# Altium PCB TAUV-Interfacer (DESKTOP-2772EO1's conflicted copy 2019-07-07).PcbDoc (part 1 of 3) (continued)
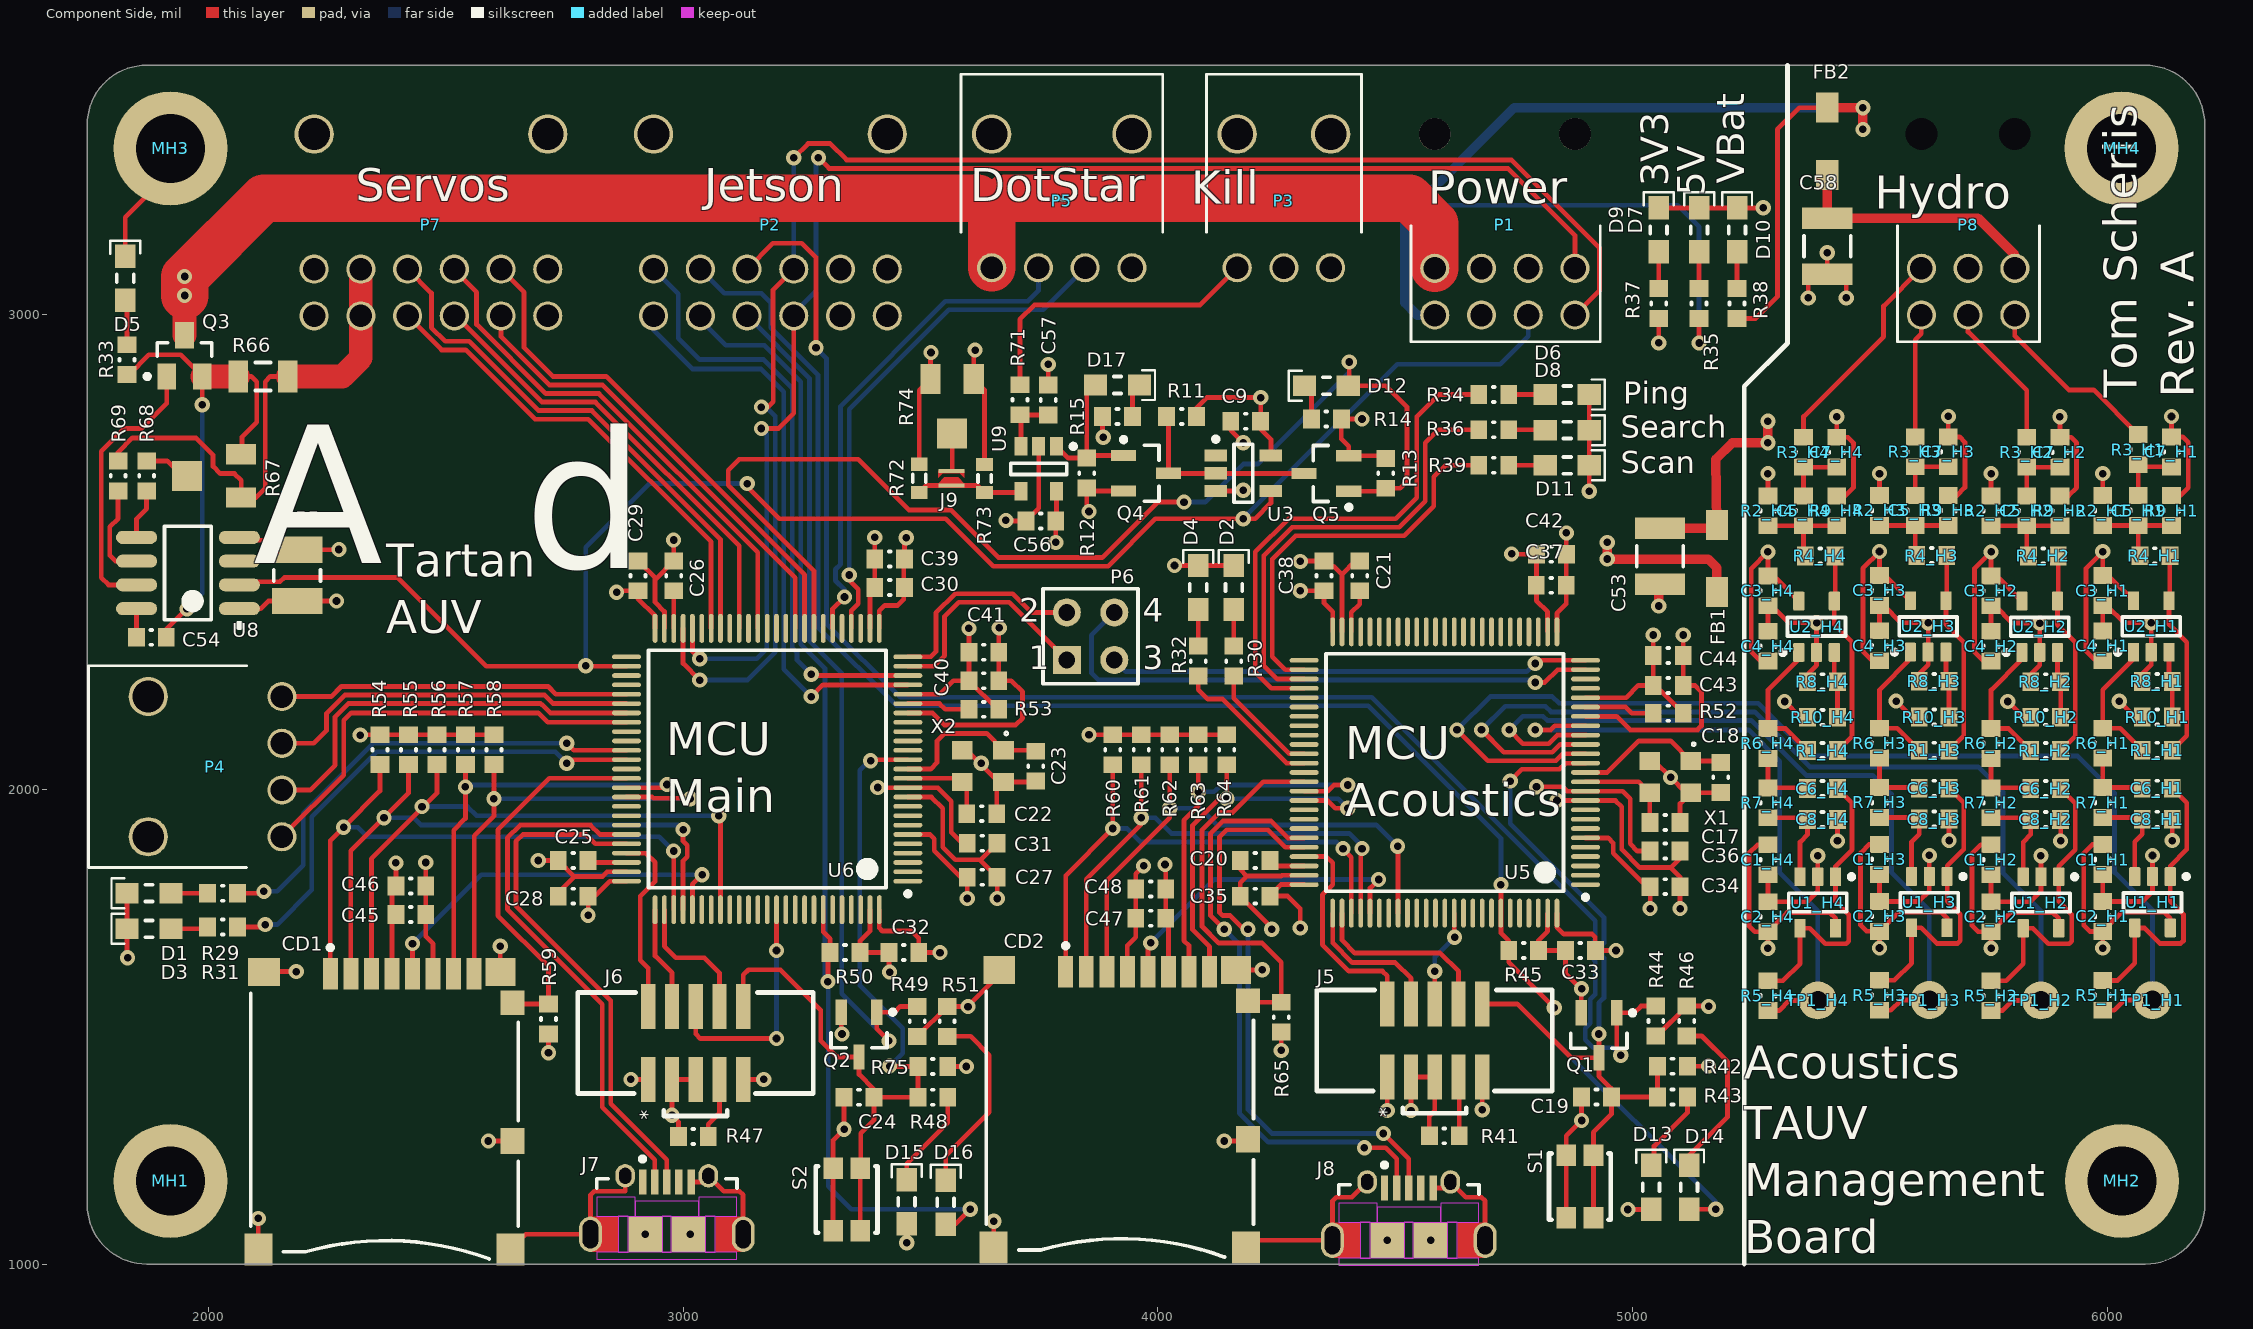
[diagram p0: Component Side view]
## Part data
C1_H1 C1_H2 C1_H3 C1_H4 C3_H1 C3_H2 C3_H3 C3_H4 C41 C44 C57: library part CMP-1035-02733-1, "CAP 1uF 10V ±10% 0603 (1608 Metric) Thickness 1mm SMD", Case-EIA=0603, Case-Metric=1608, Rated Voltage="10 V", Tolerance=±10%, Max Thickness="1 mm", Technology=SMT
  C3_H1 C3_H2 C3_H3 C3_H4: ChannelOffset=8
C2_H1 C2_H2 C2_H3 C2_H4 C4_H1 C4_H2 C4_H3 C4_H4 C9 C19 C24 C27 C28 C29 C30 C31 C32 C33 C34 C35 C36 C37 C38 C40 C43 C45 C47 C56: library part CMP-1035-02580-1, "CAP 100nF 10V ±10% 0603 (1608 Metric) Thickness 1mm SMD", Case-EIA=0603, Case-Metric=1608, Rated Voltage="10 V", Tolerance=±10%, Max Thickness="1 mm", Technology=SMT
  C4_H1 C4_H2 C4_H3 C4_H4: ChannelOffset=9
C5_H1 C5_H2 C5_H3 C5_H4 C7_H1 C7_H2 C7_H3 C7_H4: library part CMP-1035-02314-1, "CAP 10nF 25V ±1% 0603 (1608 Metric) Thickness 1mm SMD", Case-EIA=0603, Case-Metric=1608, Rated Voltage="25 V", Tolerance=±1%, Max Thickness="1 mm", Technology=SMT
  C5_H1 C5_H2 C5_H3 C5_H4: ChannelOffset=3
  C7_H1 C7_H2 C7_H3 C7_H4: ChannelOffset=2
C6_H1 C6_H2 C6_H3 C6_H4 C8_H1 C8_H2 C8_H3 C8_H4: library part CMP-1035-02506-1, "CAP 47nF 25V ±5% 0603 (1608 Metric) Thickness 1mm SMD", Case-EIA=0603, Case-Metric=1608, Rated Voltage="25 V", Tolerance=±5%, Max Thickness="1 mm", Technology=SMT
C17 C18 C22 C23: library part CMP-1035-00549-1, "CAP 10pF 25V ±1% 0603 (1608 Metric) Thickness 1mm SMD", Case-EIA=0603, Case-Metric=1608, Rated Voltage="25 V", Tolerance=±1%, Max Thickness="1 mm", Technology=SMT
C20 C21 C25 C26: library part CMP-1035-02758-1, "CAP 2.2uF 10V ±10% 0603 (1608 Metric) Thickness 1mm SMD", Case-EIA=0603, Case-Metric=1608, Rated Voltage="10 V", Tolerance=±10%, Max Thickness="1 mm", Technology=SMT
C39 C42 C46 C48: library part CMP-1035-02799-1, "CAP 10uF 10V ±10% 0603 (1608 Metric) Thickness 1mm SMD", Case-EIA=0603, Case-Metric=1608, Rated Voltage="10 V", Tolerance=±10%, Max Thickness="1 mm", Technology=SMT
C53 C58: library part CMP-1038-01290-1, "CAP 22nF 16V ±5% 1210 (3225 Metric) Thickness 1mm SMD", Case-EIA=1210, Case-Metric=3225, Rated Voltage="16 V", Tolerance=±20%, Max Thickness="1 mm", Technology=SMT
C54: library part CMP-1035-02315-1, "CAP 10nF 25V ±2% 0603 (1608 Metric) Thickness 1mm SMD", Case-EIA=0603, Case-Metric=1608, Rated Voltage="25 V", Tolerance=±2%, Max Thickness="1 mm", Technology=SMT
C55: library part CMP-1038-02286-1, "CAP 22uF 25V -20% to +80% 1210 (3225 Metric) Thickness 2.2mm SMD", Case-EIA=1210, Case-Metric=3225, Rated Voltage="25 V", Tolerance="-20% to +80%", Max Thickness="2.2 mm", Technology=SMT
CD1 CD2: library part CMP-2000-05248-1, "Micro SD Memory Card Connector, 0.5 A, 10 V (DC), -25 to 85 degC, 8-Pin SMT, RoHS, Tape and Reel", Current Rating=500mA, Manufacturer=Molex, Max Operating Temperature=85°C, Max Voltage Rating (DC)=1.01kV, Min Operating Temperature=-25°C, Package Quantity=1, Supplier Part Number 1=WM24066CT-ND, Voltage Rating (AC)=10V, 3D Model=502774-0891.stp, Card Type=SecureDigital-microSD™, Catalog Drawings=502774-0891, Category=Connectors,Interconnects, ComponentLink1Description=https://datasheet.ciiva.com/15226/getdatasheetpartid-119109-15226226.pdf, ComponentLink1URL=https://datasheet.ciiva.com/15226/getdatasheetpartid-119109-15226226.pdf, ComponentLink2Description=https://datasheet.ciiva.com/16655/5027740891-memory-card-socket-16655603.pdf, ComponentLink2URL=https://datasheet.ciiva.com/16655/5027740891-memory-card-socket-16655603.pdf, ComponentLink3Description=https://datasheet.ciiva.com/11755/0900766b80f752a0-11755064.pdf, ComponentLink3URL=https://datasheet.ciiva.com/11755/0900766b80f752a0-11755064.pdf, ComponentLink4Description=https://datasheet.ciiva.com/683/5027740891-sd-683628.pdf, ComponentLink4URL=https://datasheet.ciiva.com/683/5027740891-sd-683628.pdf, ComponentLink5Description=https://datasheet.ciiva.com/683/5027740891-sd-683629.pdf, ComponentLink5URL=https://datasheet.ciiva.com/683/5027740891-sd-683629.pdf, ComponentLink6Description=https://datasheet.ciiva.com/683/5027740891-sd-683630.pdf, ComponentLink6URL=https://datasheet.ciiva.com/683/5027740891-sd-683630.pdf, ComponentLink7Description=https://datasheet.ciiva.com/1104/ps-502774-001-1104670.pdf, ComponentLink7URL=https://datasheet.ciiva.com/1104/ps-502774-001-1104670.pdf, ComponentLink8Description=https://datasheet.ciiva.com/4581/5027740891-memory-card-socket-179575-4581102.pdf, ComponentLink8URL=https://datasheet.ciiva.com/4581/5027740891-memory-card-socket-179575-4581102.pdf, ComponentLink9Description=https://datasheet.ciiva.com/1104/1499551-1104671.pdf, ComponentLink9URL=https://datasheet.ciiva.com/1104/1499551-1104671.pdf, Connector Type=ConnectorandEjector, Contact Finish=Gold, Contact Finish Thickness=20µin(0.51µm), Contact Material="Copper,Copper Alloy", Contact Plating=Gold, Datasheet URL=https://datasheet.ciiva.com/1104/1499551-1104671.pdf, Datasheet Version="Rev. D, 04/2004", Depth=16mm, Ejector Side=-, Family=MemoryConnectors-PCCardSockets, Features=Switch, Gender=Male, Halogen Free="Low Halogen", Height=1.8mm, Height Above Board="0.071\"(1.80mm)", Housing Material=Polymer, Insertion, Removal Method=PushIn,PushOut, Length=14.6mm, Manufacturer Part Number=502774-0891, Manufacturer URL=http://www.molex.com/, Mount="Surface Mount,Reverse", Mounting Feature=Reverse-Bottom, Mounting Type=SurfaceMount,RightAngle, Number of Circuits=8, Number of Contacts=8, Number of Positions=10(8+2), Number of Rows=1, Online Catalog=microSD™Series, Orientation="Right Angle", Other Names=WM24066DKR, Packaging=Digi-Reel, Pitch=1.1mm, Pricing 1="1=3.31, 10=3.177, 25=2.912, 50=2.7796, 100=2.6473, 250=2.3164, 500=2.2502 (USD)", Radiation Hardening=No, REACH SVHC=Unknown, RoHS Information=502774-0891CertofCompliance, Series=502774, Standard Package=1, Stock 1=7772, Supplier 1=Digi-Key, Termination=Solder, Width=1.8mm
D1 D2: library part LED0, "led", Case/Package=0805, Case Code (Metric)=2012, Colour=Blue, Forward Voltage=2.65V, Lens Colour=Colorless, Manufacturer 1=Kingbright, Manufacturer Part Number 1=APT2012LVBC/D, Supplier Part Number 1=754-1938-1-ND, Test Current=2mA, Case Code (Imperial)=0805, ComponentLink1Description=http://www.mouser.com/ds/2/216/APT2012LVBC-D-535767.pdf, ComponentLink1URL=http://www.mouser.com/ds/2/216/APT2012LVBC-D-535767.pdf, ComponentLink2Description=http://www.kingbrightusa.com/images/catalog/SPEC/APT2012LVBC-D.pdf, ComponentLink2URL=http://www.kingbrightusa.com/images/catalog/SPEC/APT2012LVBC-D.pdf, Dominant Wavelength=470nm, Height=0.75mm, Lead Free="Lead Free", Length=2mm, Lens Transparency=Clear, Luminous Intensity=24mcd, Mount="Surface Mount", Packaging="Tape and Reel", Pricing 1="1=0.69, 10=0.541, 25=0.4508, 100=0.3885, 250=0.3469, 500=0.2983, 1000=0.2303 (USD)", Stock 1=44757, Supplier 1=Digi-Key, Viewing Angle=120°, Width=1.25mm
D3 D4 D5 D7 D9 D10 D11: library part LED0, "led", Color=Green, Current - Test=20mA, Lens Color=Colorless, Manufacturer="Lite-On Inc.", Manufacturer Part Number=LTST-C171KGKT, Millicandela Rating=35mcd, Package / Case="0805 (2012 Metric)", Supplier Part Number 1=160-1426-1-ND, Voltage - Forward (Vf) (Typ)=2V, Category=Optoelectronics, ComponentLink1Description=http://optoelectronics.liteon.com/upload/download/DS22-2000-118/LTST-C171KGKT.pdf, ComponentLink1URL=http://optoelectronics.liteon.com/upload/download/DS22-2000-118/LTST-C171KGKT.pdf, Features=-, Height (Max)=0.90mm, Lens Style/Size="Rectangle with Flat Top, 1.40mm x 1.25mm", Lens Transparency=Clear, Mounting Type="Surface Mount", Packaging="Cut Tape (CT)", Part Status=Active, Pricing 1="1=0.31, 10=0.225, 25=0.1656, 100=0.1183, 250=0.0804, 500=0.07096, 1000=0.05558 (USD)", RoHS="RoHS Compliant", Size / Dimension="2.00mm L x 1.25mm W", Stock 1=350441, Supplier 1=Digi-Key, Viewing Angle=130°, Wavelength - Dominant=571nm, Wavelength - Peak=574nm
D6 D8: library part LED0, "led /  LTST-C171KSKT", Color=Green, Current - Test=20mA, Lens Color=Colorless, Manufacturer="Lite-On Inc.", Manufacturer Part Number=LTST-C171KGKT, Millicandela Rating=35mcd, Package / Case="0805 (2012 Metric)", Supplier Part Number 1=160-1426-1-ND, Voltage - Forward (Vf) (Typ)=2V, Category=Optoelectronics, ComponentLink1Description=http://optoelectronics.liteon.com/upload/download/DS22-2000-110/LTST-C171KSKT.pdf, ComponentLink1URL=http://optoelectronics.liteon.com/upload/download/DS22-2000-110/LTST-C171KSKT.pdf, Features=-, Height (Max)=0.90mm, Lens Style/Size="Rectangle with Flat Top, 1.40mm x 1.25mm", Lens Transparency=Clear, Mounting Type="Surface Mount", Packaging="Cut Tape (CT)", Part Status=Active, Pricing 1="1=0.31, 10=0.225, 25=0.1656, 100=0.1183, 250=0.0804, 500=0.07096, 1000=0.05558 (USD)", RoHS="RoHS Compliant", Size / Dimension="2.00mm L x 1.25mm W", Stock 1=350441, Supplier 1=Digi-Key, Viewing Angle=130°, Wavelength - Dominant=571nm, Wavelength - Peak=574nm
D12 D13 D14 D15 D16 D17: library part LED0, "led", Color=Red, Current - Test=20mA, Lens Color=Colorless, Manufacturer="Lite-On Inc.", Manufacturer Part Number=LTST-C171KRKT, Millicandela Rating=54mcd, Package / Case="0805 (2012 Metric)", Supplier Part Number 1=160-1427-1-ND, Voltage - Forward (Vf) (Typ)=2V, Category=Optoelectronics, ComponentLink1Description=http://optoelectronics.liteon.com/upload/download/DS22-2000-109/LTST-C171KRKT.pdf, ComponentLink1URL=http://optoelectronics.liteon.com/upload/download/DS22-2000-109/LTST-C171KRKT.pdf, Features=-, Height (Max)=0.80mm, Lens Style/Size="Rectangle with Flat Top, 1.40mm x 1.25mm", Lens Transparency=Clear, Mounting Type="Surface Mount", Packaging="Cut Tape (CT)", Part Status=Active, Pricing 1="1=0.31, 10=0.225, 25=0.1656, 100=0.1183, 250=0.0804, 500=0.07096, 1000=0.05558 (USD)", RoHS="RoHS Compliant", Size / Dimension="2.00mm L x 1.25mm W", Stock 1=260544, Supplier 1=Digi-Key, Viewing Angle=130°, Wavelength - Dominant=631nm, Wavelength - Peak=639nm
FB1 FB2: library part CMP-0686-00744-2, "Chip Ferrite Bead for Power Lines, 600 Ohm, 1500 mA, -55 to 125 degC, 3.2 x 1.6 x 1.3 mm SMD, Tape and Reel", DC Resistance="0.08 Ohm Max.", Manufacturer=Murata, Operating Temperature Range="-55 to 125 degC", Rated Current="1500 mA", ComponentLink1Description="Manufacturer URL", ComponentLink1URL=http://www.murata.com/, ComponentLink2Description=Datasheet, ComponentLink2URL=http://www.murata.com/products/catalog/pdf/c31e.pdf, ComponentLink3Description="Package Specification", ComponentLink3URL=http://www.murata.com/products/catalog/pdf/c31e.pdf, DatasheetVersion=08/2013, Impedance (at 100 MHz)="600 Ohm +/- 25%", Mounting Technology="Surface Mount", PackageDescription="2-Pin Chip, Body 3.2 x 1.6 mm", PackageReference=BLM31-2, Packing="Tape and Reel", PartNumber=BLM31PG601SN1L
J5 J6: library part "jtag 10pos mini", Supplier Part Number 1=1175-1629-ND, Supplier 1=Digi-Key
J7 J8: library part CMP-1349-00001-2, "USB 2.0 Standard Micro-USB Connector, Micro AB-Standard (Bottom Mount), 30 V AC, -30 to 85 degC, Right Angle, 5-Pin 7.5 x 5.6 x 2.8 mm SMD, RoHS, Reel", Capacitance="2 pF Max.", Contact Resistance="30 mOhm Max.", Manufacturer="Hirose Electric", Operating Temperature Range="-30 to 85 degC", Voltage Rating="30 V AC", ComponentLink1Description="Manufacturer URL", ComponentLink1URL=http://www.hirose.com/, ComponentLink2Description=Datasheet, ComponentLink2URL=http://www.hirose.co.jp/cataloge_hp/ed_ZX_20140804.pdf, ComponentLink3Description="Package Specification", ComponentLink3URL=http://www.hirose.co.jp/cataloge_hp/ed_ZX_20140804.pdf, DatasheetVersion=Aug-14, Mounting Technology="Surface Mount", Number of Contacts=5, PackageDescription="USB Micro-AB Connector, Right Angle, Body 7.5 x 5.6 mm, Pitch 0.65 mm, Height 2.8 mm", Packing=Reel, PartNumber=ZX62D-AB-5P8, RoHS=TRUE
J9: library part "Jumper Closed", "Jumper"
MH1 MH2 MH3 MH4: library part "Mounting Hole #4-40, Loose Fit", "Mounting Hole for ANSI #4-40 w/ Flat Washer, Loose Fit", Datasheet=http://blogs.mentor.com/tom-hausherr/blog/tag/pcb-mounting-holes/
P1: library part "8-Pin 2-Row Nano-Fit", "NanoFit RA Hdr TH DR 8Ckt", Manufacturer=Molex, Part Number=105314-1216, Supplier Part Number=WM15165-ND, Supplier Part Number 1=WM15168-ND, Supplier=Digi-Key, Supplier 1=Digi-Key
P2 P7: library part "12-Pin 2-Row Nano-Fit", "NanoFit RA Hdr TH DR 12Ckt", Supplier Part Number 1=WM15170-ND, ComponentLink1Description="Digikey Link", ComponentLink1URL=https://www.digikey.com/product-detail/en/molex-llc/1053141312/WM15170-ND/6164259, Supplier 1=Digi-Key
P3: library part "3-Pin Nano-Fit", "NanoFit RA Hdr TH SR 3Ckt", Manufacturer=Molex, Part Number=105313-1204, Supplier Part Number=538-105313-1204, Supplier=Mouser
P4 P5: library part "4-Pin Nano-Fit", "NanoFit RA Hdr TH SR 4Ckt", Manufacturer=Molex, Part Number=105313-1204, Supplier Part Number=538-105313-1204, Supplier=Mouser
P6: "Header, 2-Pin, Dual row", LatestRevisionDate=17-Jul-2002, LatestRevisionNote="Re-released for DXP Platform.", Publisher="Altium Limited"
P8: library part "6-Pin Nano-Fit Throughole Right Angle", "NanoFit ST Hdr TH SR 6Ckt 2x3", Manufacturer=Molex, Part Number=105313-1204, Supplier Part Number=538-105313-1204, Supplier Part Number 1=WM14977-ND, Supplier=Mouser, Supplier 1=Digi-Key
Q1 Q2 Q4 Q5: library part CMP-1149-00026-1, "N-Channel OptiMOS Small-Signal-Transistor, 60 V VDS, 0.3 A ID, -55 to 150 degC, PG-SOT23, Reel, Green", Manufacturer=Infineon, ComponentLink1Description="Manufacturer URL", ComponentLink1URL=http://www.infineon.com/, ComponentLink2Description=Datasheet, ComponentLink2URL=http://www.infineon.com/dgdl/2N7002_Rev2.4.pdf?folderId=db3a3043156fd573011622e10b5c1f67&fileId=db3a304319bc939a0119c2a9461e79e6, ComponentLink3Description="Package Specification", ComponentLink3URL=http://www.infineon.com/dgdl/SOT23-Package_Overview.pdf?folderId=db3a30431936bc4b0119532290053c66&fileId=db3a30431936bc4b0119533468123c85, DatasheetVersion="Rev. 2.4", Green=TRUE, Halogen-free=TRUE, ID (max)="0.3 A", IDpuls (max)="1.2 A", Mounting Technology="Surface Mount", PackageDescription="3-Pin Small Outline Transistor Package, 2.9 x 1.3 mm Body, 0.95 mm Pitch", PackageReference=PG-SOT23, PackageVersion=Apr-08, Packing=Reel, PartNumber=2N7002, Ptot (max)="0.5 W", QG="0.4 nC", RDS (on) (max)="3,000 mOhm", RDS (on) (max) (@4.5V)="4,000 mOhm", RthJA (max)="250 K/W", VDS (max)="60 V", VGS(th) (max)="2.5 V", VGS(th) (min)="1.5 V"
Q3: library part CMP-2000-06250-1, "N-Channel Logic Level Enhancement Mode Field Effect Transistor,2.2 A, 30 V, -55 to 150 degC, 3-Pin SOT-23, RoHS, Tape and Reel", Continuous Drain Current Id=2.5A, Current Id Max=2.2A, Current Temperature=25°C, Drain Source Voltage Vds=20V, Manufacturer="Fairchild Semiconductor", On Resistance Rds(on)=52mohm, Operating Temperature Max=150°C, Operating Temperature Min=-55°C, Operating Temperature Range=-55°Cto+150°C, Package / Case=SOT-23, Package Description="3-Pin Small Outline Transistor, Body 2.92 x 1.4 mm, Pitch 0.95 mm", Package Reference=SSOT3L, Package Version="Rev. 3, 05/2015", Power Dissipation Pd=500mW, Pulse Current Idm=10A, Rds(on) Test Voltage Vgs=4.5V, Threshold Voltage Vgs Typ=700mV, Voltage Vds Typ=30V, Datasheet URL=https://www.fairchildsemi.com/datasheets/FD/FDN337N.pdf, Datasheet Version="Rev. C, 03/1998", External Depth=2.5mm, External Length / Height=1.12mm, External Width=3.05mm, Full Power Rating Temperature=25°C, Id=2.2A, Manufacturer URL=https://www.fairchildsemi.com/, Mounting Technology=SurfaceMount, No. of Pins=3, No. of Transistors=1, Package URL=https://www.fairchildsemi.com/package-drawings/MA/MA03B.pdf, RDS(on)=0.082Ohm, Reel Quantity=3000, SMD Marking=337, SVHC=NoSVHC(19-Dec-2012), Tape Width=8mm, Termination Type=SMD, Transistor Case Style=SOT-23, Transistor Polarity=NChannel, Trr=10ns, Vdss=30V, Vgss=+/-8V, Voltage Vgs Max=700mV, Voltage Vgs Rds on Measurement=4.5V, Vth=0.7V
R1_H1 R1_H2 R1_H3 R1_H4: library part CMP-1012-00579-1, "4K12 0.1W 1% 0603 (1608 Metric)  SMD", Case-EIA=0603, Case-Metric=1608, Power="0.1 W", Tolerance="1 %", Technology=SMT
R2_H1 R2_H2 R2_H3 R2_H4 R9_H1 R9_H2 R9_H3 R9_H4: library part CMP-1012-00566-1, "3K24 0.1W 1% 0603 (1608 Metric)  SMD", Case-EIA=0603, Case-Metric=1608, Power="0.1 W", Tolerance="1 %", Technology=SMT
  R2_H1 R2_H2 R2_H3 R2_H4: ChannelOffset=3
  R9_H1 R9_H2 R9_H3 R9_H4: ChannelOffset=4
R3_H1 R3_H2 R3_H3 R3_H4 R5_H1 R5_H2 R5_H3 R5_H4: library part CMP-1012-00444-1, "270R 0.1W 1% 0603 (1608 Metric)  SMD", Case-EIA=0603, Case-Metric=1608, Power="0.1 W", Tolerance="1 %", Technology=SMT
  R3_H1 R3_H2 R3_H3 R3_H4: ChannelOffset=1
R4_H1 R4_H2 R4_H3 R4_H4 R8_H1 R8_H2 R8_H3 R8_H4 R10_H1 R10_H2 R10_H3 R10_H4: library part CMP-1012-00623-1, "10K 0.1W 1% 0603 (1608 Metric)  SMD", Case-EIA=0603, Case-Metric=1608, Power="0.1 W", Tolerance="1 %", Technology=SMT
  R4_H1 R4_H2 R4_H3 R4_H4: ChannelOffset=5
  R8_H1 R8_H2 R8_H3 R8_H4 R10_H1 R10_H2 R10_H3 R10_H4: ChannelOffset=6
R6_H1 R6_H2 R6_H3 R6_H4 R7_H1 R7_H2 R7_H3 R7_H4: library part CMP-1012-00354-1, "42R2 0.1W 1% 0603 (1608 Metric)  SMD", Case-EIA=0603, Case-Metric=1608, Power="0.1 W", Tolerance="1 %", Technology=SMT
R11 R41 R42 R44 R45 R47 R49 R50 R59 R65 R75: library part CMP-1012-00098-1, "10K 0.1W 5% 0603 (1608 Metric)  SMD", Case-EIA=0603, Case-Metric=1608, Power="0.1 W", Tolerance="5 %", Technology=SMT
R12 R13 R71: library part CMP-1012-00680-1, "33K 0.1W 1% 0603 (1608 Metric)  SMD", Case-EIA=0603, Case-Metric=1608, Power="0.1 W", Tolerance="1 %", Technology=SMT
R14 R15 R31 R32 R34 R36 R37 R39 R43 R46 R48 R51: library part CMP-1012-00050-1, "100R 0.1W 5% 0603 (1608 Metric)  SMD", Case-EIA=0603, Case-Metric=1608, Power="0.1 W", Tolerance="5 %", Technology=SMT
R29 R30: library part CMP-1012-00409-1, "130R 0.1W 1% 0603 (1608 Metric)  SMD", Case-EIA=0603, Case-Metric=1608, Power="0.1 W", Tolerance="1 %", Technology=SMT
R33 R35: library part CMP-1012-00058-1, "220R 0.1W 5% 0603 (1608 Metric)  SMD", Case-EIA=0603, Case-Metric=1608, Power="0.1 W", Tolerance="5 %", Technology=SMT
R38: library part CMP-1012-00518-1, "1K2 0.1W 1% 0603 (1608 Metric)  SMD", Case-EIA=0603, Case-Metric=1608, Power="0.1 W", Tolerance="1 %", Technology=SMT
R52 R53: library part CMP-1012-00360-1, "47R 0.1W 1% 0603 (1608 Metric)  SMD", Case-EIA=0603, Case-Metric=1608, Power="0.1 W", Tolerance="1 %", Technology=SMT
R54 R55 R56 R57 R58 R60 R61 R62 R63 R64: library part CMP-1012-00699-1, "47K 0.1W 1% 0603 (1608 Metric)  SMD", Case-EIA=0603, Case-Metric=1608, Power="0.1 W", Tolerance="1 %", Technology=SMT
R66: library part CMP-1678-00004-1, "Chip Resistor, 0.05 Ohm, +/- 1%, 1 W, -55 to 155 degC, 1206 (3216 Metric), RoHS, Tape and Reel", Capacitance="2E-11 f", Frequency="12 MHz", Frequency Tolerance=30ppm, Load Capacitance="20 pF", Max Operating Temperature="70 degC", Min Operating Temperature="-20 degC", Package Quantity=100, Resistance="60 Ohm", Tolerance=50ppm, ComponentLink1Description="Manufacturer URL", ComponentLink1URL=http://www.ohmite.com/, ComponentLink2Description=Datasheet, ComponentLink2URL=http://www.ohmite.com/cat/res_mcs.pdf, DatasheetVersion=Nov-16, ESR="60 Ohm", Height="3.6 mm", Length="11.35 mm", Mount="Through Hole", PackageDescription="2-Pin Surface Mount Device, Body 3.2 x 1.6 mm", PackageReference=1206, Packaging=Bulk, Pins=2, Radiation Hardening=No, REACH SVHC="No SVHC", RoHSCompliant=true, Width="4.65 mm"
R67 R74: library part "TT 22AR Trim Pot", "TT Electronics BI 22AR100KLFTR SMT trim pot, 100k 20%", Supplier Part Number 1=987-1003-1-ND, Tolerance=20%, Datasheet=http://www.bitechnologies.com/pdfs/22.pdf, Supplier 1=Digi-Key
R68: library part CMP-1012-00510-1, "1K 0.1W 1% 0603 (1608 Metric)  SMD", Case-EIA=0603, Case-Metric=1608, Power="0.1 W", Tolerance="1 %", Technology=SMT
R69: library part CMP-1012-00454-1, "330R 0.1W 1% 0603 (1608 Metric)  SMD", Case-EIA=0603, Case-Metric=1608, Power="0.1 W", Tolerance="1 %", Technology=SMT
R72 R73: "Resistor", LatestRevisionDate=29-May-2009, LatestRevisionNote="IPC-7351 Footprint Added.", PackageDescription="Chip Resistor", PackageReference=J1-0603, Published=8-Jun-2000, Publisher="Altium Limited"
S1 S2: library part "EVP-AA Switch", "EVP-AA Momentary Switch SPST-NO", Part Number=EVP-AA202K, Supplier Part Number 1=P13348SCT-ND, Datasheet=http://industrial.panasonic.com/lecs/www-data/pdf/ATK0000/ATK0000CE26.pdf, Supplier 1=Digi-Key
TP1_H1 TP1_H2 TP1_H3 TP1_H4: "Keyston Electronics 5001 Test Point Loop", Color=Black, Manufacturer="Keystone Electronics", Manufacturer P/N=5001, Supplier Part Number 1=36-5001-ND, Supplier 1=Digi-Key
U1_H1 U1_H2 U1_H3 U1_H4 U2_H1 U2_H2 U2_H3 U2_H4: library part CMP-0055-01331-3, "Tiny Low Power Operational Amplifier with Rail-to-Rail Input and Output, 5-pin SOT-23", Manufacturer="Texas Instruments", Package Reference=DBV0005A, PackageTopMarking=A00A*XTT, PowerWise=N, ComponentLink1Description="Datasheet URL", ComponentLink1URL=http://www.ti.com/general/docs/lit/getliterature.tsp?genericPartNumber=LMC7101&fileType=pdf, CompType=Amplifiers, PackageDescription="Molded SOT-23, .115 x .063 x .040 in Body, 5 Lead, .0375 in Pitch", PinCount=5, RoHS=N
  U2_H1 U2_H2 U2_H3 U2_H4: ChannelOffset=7
U3: library part CMP-0859-00033-1, "Single Schmitt-Trigger Buffer, DBV0005A, LARGE T&R", F @ Nom Voltage(Max)(Mhz)=150, ICC @ Nom Voltage(Max)(mA)=0.01, Operating Temperature Range(C)="-40 to 125,-40 to 85", Part Number=SN74LVC1G17, Rating=Catalog, tpd @ Nom Voltage(Max)(ns)=11,6.5,5.5,5, Voltage(Nom)(V)=1.8,2.5,3.3,5, 3-State Output=No, Bits(#)=1, ComponentLink1Description="Manufacturer URL", ComponentLink1URL=http://www.ti.com/, ComponentLink2Description=Datasheet, ComponentLink2URL=http://www.ti.com/lit/ds/symlink/sn74lvc1g17.pdf, DatasheetVersion=SCES351V, Input Type=CMOS/TTL, Logic=True, Output Drive (IOL/IOH)(Max)(mA)=32/-32, Output Type=CMOS, PackageReference=DBV0005A, PartNumber=SN74LVC1G17DBVR, Schmitt Trigger=Yes, Sub-Family="Non-Inverting Buffer/Driver", Technology Family=LVC, VCC(Max)(V)=5.5, VCC(Min)(V)=1.65
U5 U6: library part CMP-1572-00044-1, "ARM Cortex-M4 32-bit MCU+FPU, 1024 KB Flash, 320 KB Internal RAM, 82 I/Os, 100-Pin LQFP, -40 to 105 degC, Tray", I/Os (High Current)=82, Operating Frequency(F) (Processor speed) (MHz)=216, Package Description="100-Pin Low Profile Quad Flat Package, Body 14 x 14 mm, Pitch 0.5 mm", Package Reference=LQFP100, Supply Voltage(Vcc) min (V)=1.7, ComponentLink1Description="Manufacturer URL", ComponentLink1URL=http://www.st.com/, ComponentLink2Description=Datasheet, ComponentLink2URL=http://www.st.com/st-web-ui/static/active/en/resource/technical/document/datasheet/DM00166116.pdf, Core="ARM Cortex-M7", D/A Converter=2, DatasheetVersion="Rev. 2", FLASH Size (Prog) (kB)=1024, Internal RAM Size (kB)=320, Mounting Technology="Surface Mount", Packing=Tray
U8: library part CMP-1558-00003-1, "High-Speed High-Side MOSFET Driver, 12 to 36 V, -40 to 85 degC, 8-Pin SOIC, RoHS, Tube", Temperature Max="85 degC", Temperature Min="-40 degC", ComponentLink1Description="Manufacturer URL", ComponentLink1URL=http://www.micrel.com/, ComponentLink2Description=Datasheet, ComponentLink2URL=http://www.micrel.com/_PDF/mic5021.pdf, ComponentLink3Description="Package Specification", ComponentLink3URL=http://www.micrel.com/_Packages/SOICN-8LD-PL-1.pdf, Mounting Technology="Surface Mount", PackageDescription="8-Pin Small Outline Integrated Package, Body 4.89 x 3.90 mm, Pitch 1.27 mm", PackageVersion="Rev. A", Packing=Tube, PartNumber=MIC5021YM, RoHS=TRUE, VDD Max="36 V", VDD Min="12 V"
U9: library part CMP-1305-00060-1, "Low Power Single Voltage Comparator, 2 to 36 V, -40 to 125 degC, 5-Pin TSOP, Pb-Free, Tape and Reel", Manufacturer="On Semiconductor", ComponentLink1Description="Manufacturer URL", ComponentLink1URL=http://www.onsemi.com/, ComponentLink2Description=Datasheet, ComponentLink2URL=http://www.onsemi.com/pub_link/Collateral/TS391-D.PDF, ComponentLink3Description="Package Specification", ComponentLink3URL=http://www.onsemi.com/pub_link/Collateral/483.PDF, DatasheetVersion="Rev. 3", ICC Typ (mA)=0.5, IO Typ (mA)=16, Mounting Technology="Surface Mount", PackageDescription="5-Pin Small Outline Package, Body 3 x 1.5 mm, Pitch 0.95 mm", PackageReference=TSOP-5-483-02, PackageVersion="Rev. K, 04/2013", Packing="Tape and Reel", PartNumber=TS391SN2T1G, RoHS=TRUE, VCC Max (V)=36, VCC Min (V)=2
X1 X2: "CRYSTAL 25.0000MHZ 10PF SMD", Case/Package=SMD/SMT, ESR (Equivalent Series Resistance)=60R, Frequency=25MHz, Frequency Stability=10ppm, Load Capacitance=10pF, Manufacturer 1=TXC, Max Operating Temperature=70°C, Min Operating Temperature=-20°C, Package Quantity=3000, Supplier Part Number 1=887-1326-1-ND, ComponentLink1Description=https://datasheet.ciiva.com/26918/getdatasheetpartid-757227-26918816.pdf, ComponentLink1URL=https://datasheet.ciiva.com/26918/getdatasheetpartid-757227-26918816.pdf, ComponentLink2Description=https://datasheet.ciiva.com/856/7m-accuracy-856022.pdf, ComponentLink2URL=https://datasheet.ciiva.com/856/7m-accuracy-856022.pdf, ComponentLink3Description=https://datasheet.ciiva.com/22658/1794111-22658486.pdf, ComponentLink3URL=https://datasheet.ciiva.com/22658/1794111-22658486.pdf, ComponentLink4Description=https://datasheet.ciiva.com/856/7m-accuracy-856023.pdf, ComponentLink4URL=https://datasheet.ciiva.com/856/7m-accuracy-856023.pdf, ComponentLink5Description=https://datasheet.ciiva.com/856/7m-accuracy-856024.pdf, ComponentLink5URL=https://datasheet.ciiva.com/856/7m-accuracy-856024.pdf, ComponentLink6Description=https://datasheet.ciiva.com/4946/7m-11184-4946126.pdf, ComponentLink6URL=https://datasheet.ciiva.com/4946/7m-11184-4946126.pdf, ComponentLink7Description=https://datasheet.ciiva.com/28498/1794111-28498878.pdf, ComponentLink7URL=https://datasheet.ciiva.com/28498/1794111-28498878.pdf, Depth=2.5mm, Frequency Tolerance=10ppm, Height=0.031inch, Length=3.2mm, Manufacturer Part Number 1=7M-25.000MEEQ-T, Mount="Surface Mount", Number of Pins=4, Packaging="Tape and Reel", Pricing 1="1=1.27, 10=1.209, 50=1.1812, 100=1.0125, 500=0.9844, 1000=0.8297 (USD)", REACH SVHC="No SVHC", Stock 1=17097, Supplier 1=Digi-Key, Termination=SMD/SMT, Tolerance=10ppm, Width=0.098inch

## Via types
v1: diameter 32, hole 16, Component Side to Solder Side, tented both sides, 193 vias
v2: diameter 32, hole 16, Component Side to Solder Side, 4 vias

## Nets (pads, with @x,y where several pads share a name; then routed paths per layer and width w, separated by ;. In a path a pad name is that pad's centre, name@x,y a point inside that pad or via, vN(x,y) a via of type N, cw(c..) or ccw(c..) an arc to the next point about the centre after c; other vN are vias at no path point)
AVCC_3V3: C1_H1.1 C1_H2.1 C1_H3.1 C1_H4.1 C2_H1.2 C2_H2.2 C2_H3.2 C2_H4.2 C3_H1.1 C3_H2.1 C3_H3.1 C3_H4.1 C4_H1.2 C4_H2.2 C4_H3.2 C4_H4.2 C43.2 C44.2 C53.1 FB1.2 R2_H1.2 R2_H2.2 R2_H3.2 R2_H4.2 R8_H1.1 R8_H2.1 R8_H3.1 R8_H4.1 R52.1 U1_H1.2 U1_H2.2 U1_H3.2 U1_H4.2 U2_H1.2 U2_H2.2 U2_H3.2 U2_H4.2 U5.21 | length 3296.9
  Component Side w10: U5.21@4900.63,2192.89 4986.21,2192.89 5012.08,2218.76 C43.2@5043.5,2218.76 ; v1(5043.35,2325) 5043.5,2324.85 C44.2@5043.5,2281.75 C43.2@5043.5,2218.76 ; R52.1@5106.5,2160 5047.74,2218.76 C43.2@5043.5,2218.76 ; C1_H4.1@5285,1820 C2_H4.2@5285,1762.99 5367.99,1762.99 5390,1785 U1_H4.2@5390,1815.63 v1(5390,1860) ; C4_H4.2@5285,2332.99 C3_H4.1@5285,2386.5 5293.5,2386.5 5329.25,2350.75 v1(5387.4,2350.75) U2_H4.2@5387.4,2288.23 5387.4,2261.36 5368.5,2242.46 R8_H4.1@5368.5,2226.5 ; R2_H4.2@5285,2617.99 v1(5285,2665) ; C1_H3.1@5520,1820.75 C2_H3.2@5520,1763.74 5602.99,1763.74 5625,1785.75 U1_H3.2@5625,1816.38 v1(5625,1860.75) ; C4_H3.2@5520,2333.74 C3_H3.1@5520,2387.24 5528.5,2387.24 5565,2350.75 v1(5622.4,2350.75) U2_H3.2@5622.4,2288.98 5622.4,2262.11 5603.5,2243.21 R8_H3.1@5603.5,2227.24 ; R2_H3.2@5520,2618.74 v1(5520,2665) ; C1_H2.1@5755,1820 C2_H2.2@5755,1762.99 5837.99,1762.99 5860,1785 U1_H2.2@5860,1815.63 v1(5860,1860) ; C4_H2.2@5755,2332.99 C3_H2.1@5755,2386.5 5763.5,2386.5 5800,2350 v1(5857.4,2350) U2_H2.2@5857.4,2288.23 5857.4,2261.36 5838.5,2242.46 R8_H2.1@5838.5,2226.5 ; R2_H2.2@5755,2617.99 v1(5755,2665) ; C1_H1.1@5990,1820.59 C2_H1.2@5990,1763.58 6072.99,1763.58 6095,1785.59 U1_H1.2@6095,1816.22 v1(6095,1860.59) ; C4_H1.2@5990,2333.58 C3_H1.1@5990,2387.09 5998.5,2387.09 6035,2350.59 v1(6092.4,2350.59) U2_H1.2@6092.4,2288.82 6092.4,2261.95 6073.5,2243.05 R8_H1.1@6073.5,2227.09 ; R2_H1.2@5990,2618.58 v1(5990,2665)
  Component Side w20: C53.1@5057.62,2550.04 5170.81,2550.04 FB1.2@5177.62,2556.85 ; v1(5285,2775) v1(5285,2730) 5210,2730 5175,2695 ; 5175,2695 FB1.2@5177.62,2556.85 ; 5175,2695 FB1.2@5177.62,2556.85